# KiCad board 1590N1 IO Board.kicad_pcb
title: 1590N1 BASEBOARD - PCBA; date: 2023-05-21; rev: A; company: ALESSANDRO RIZZONI; note: PCBA; note: DRAFT; note: AIR; note: 1: DO NOT TENT VIAS
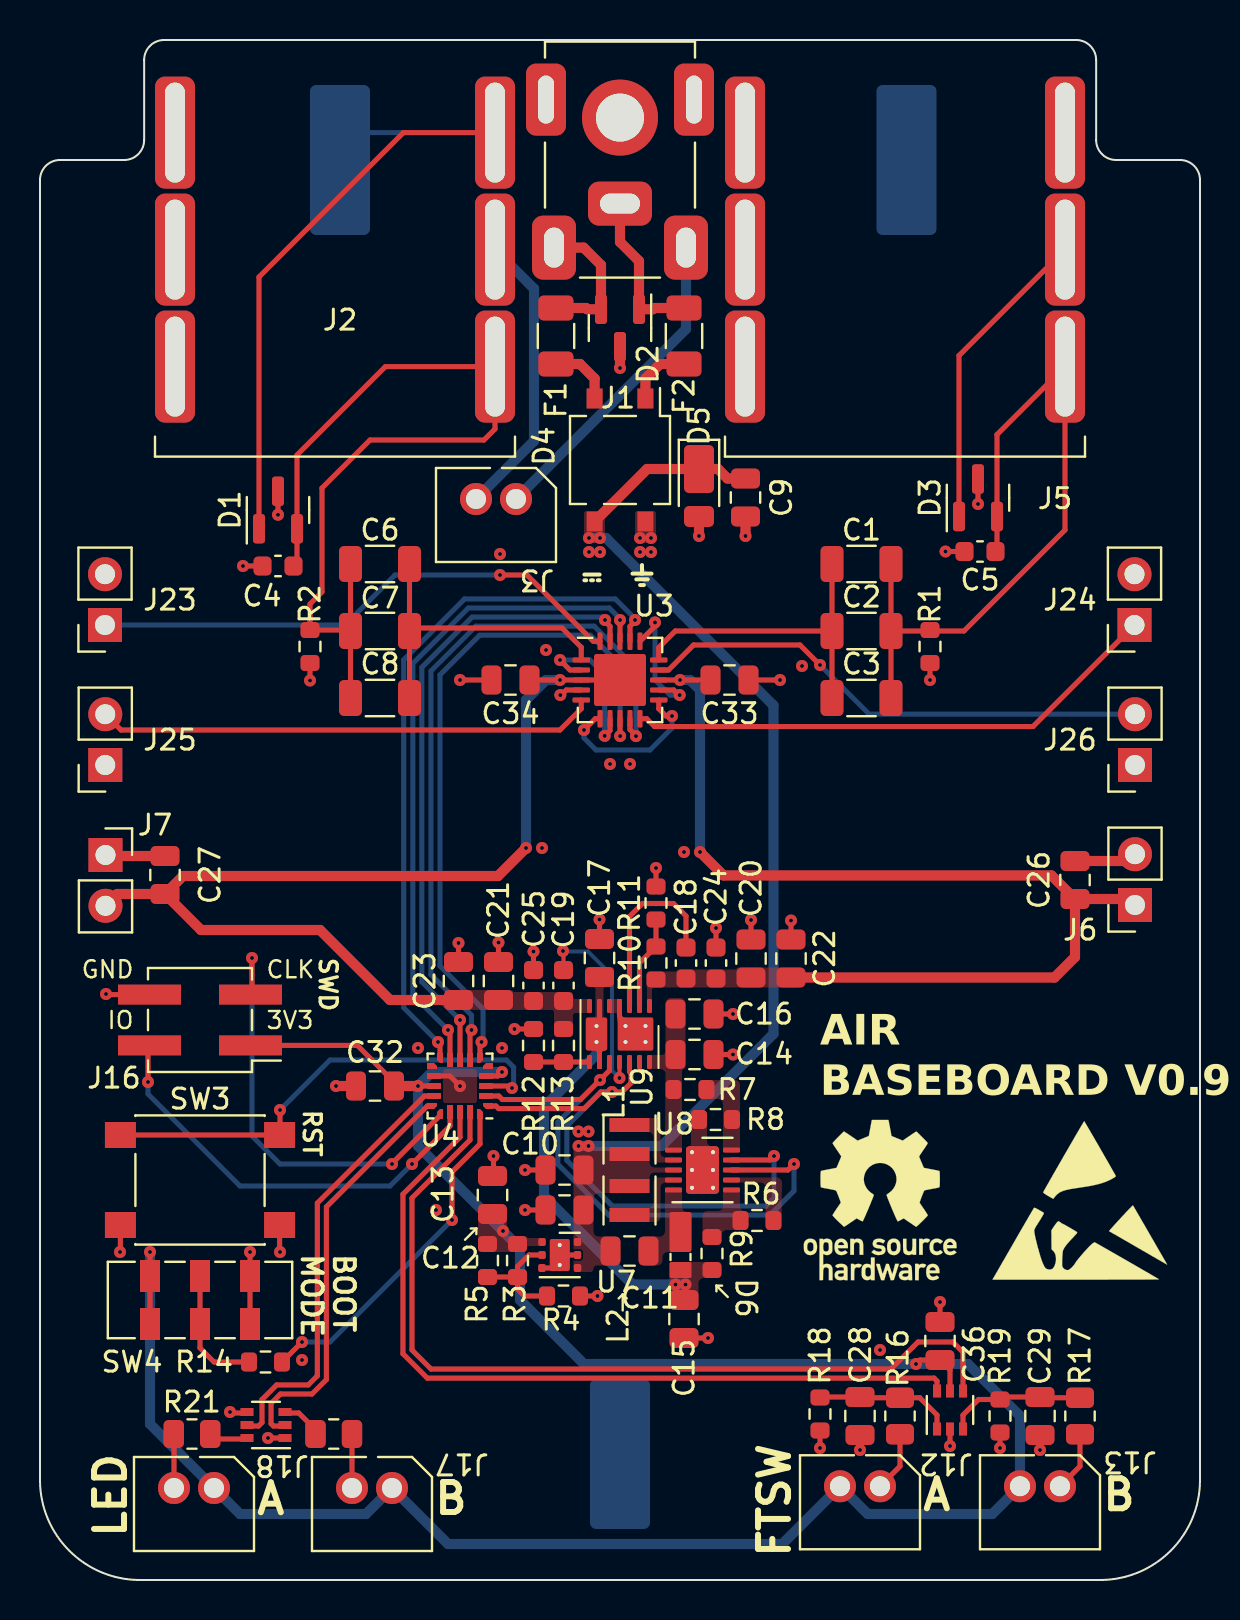
[diagram p0: board, top side]
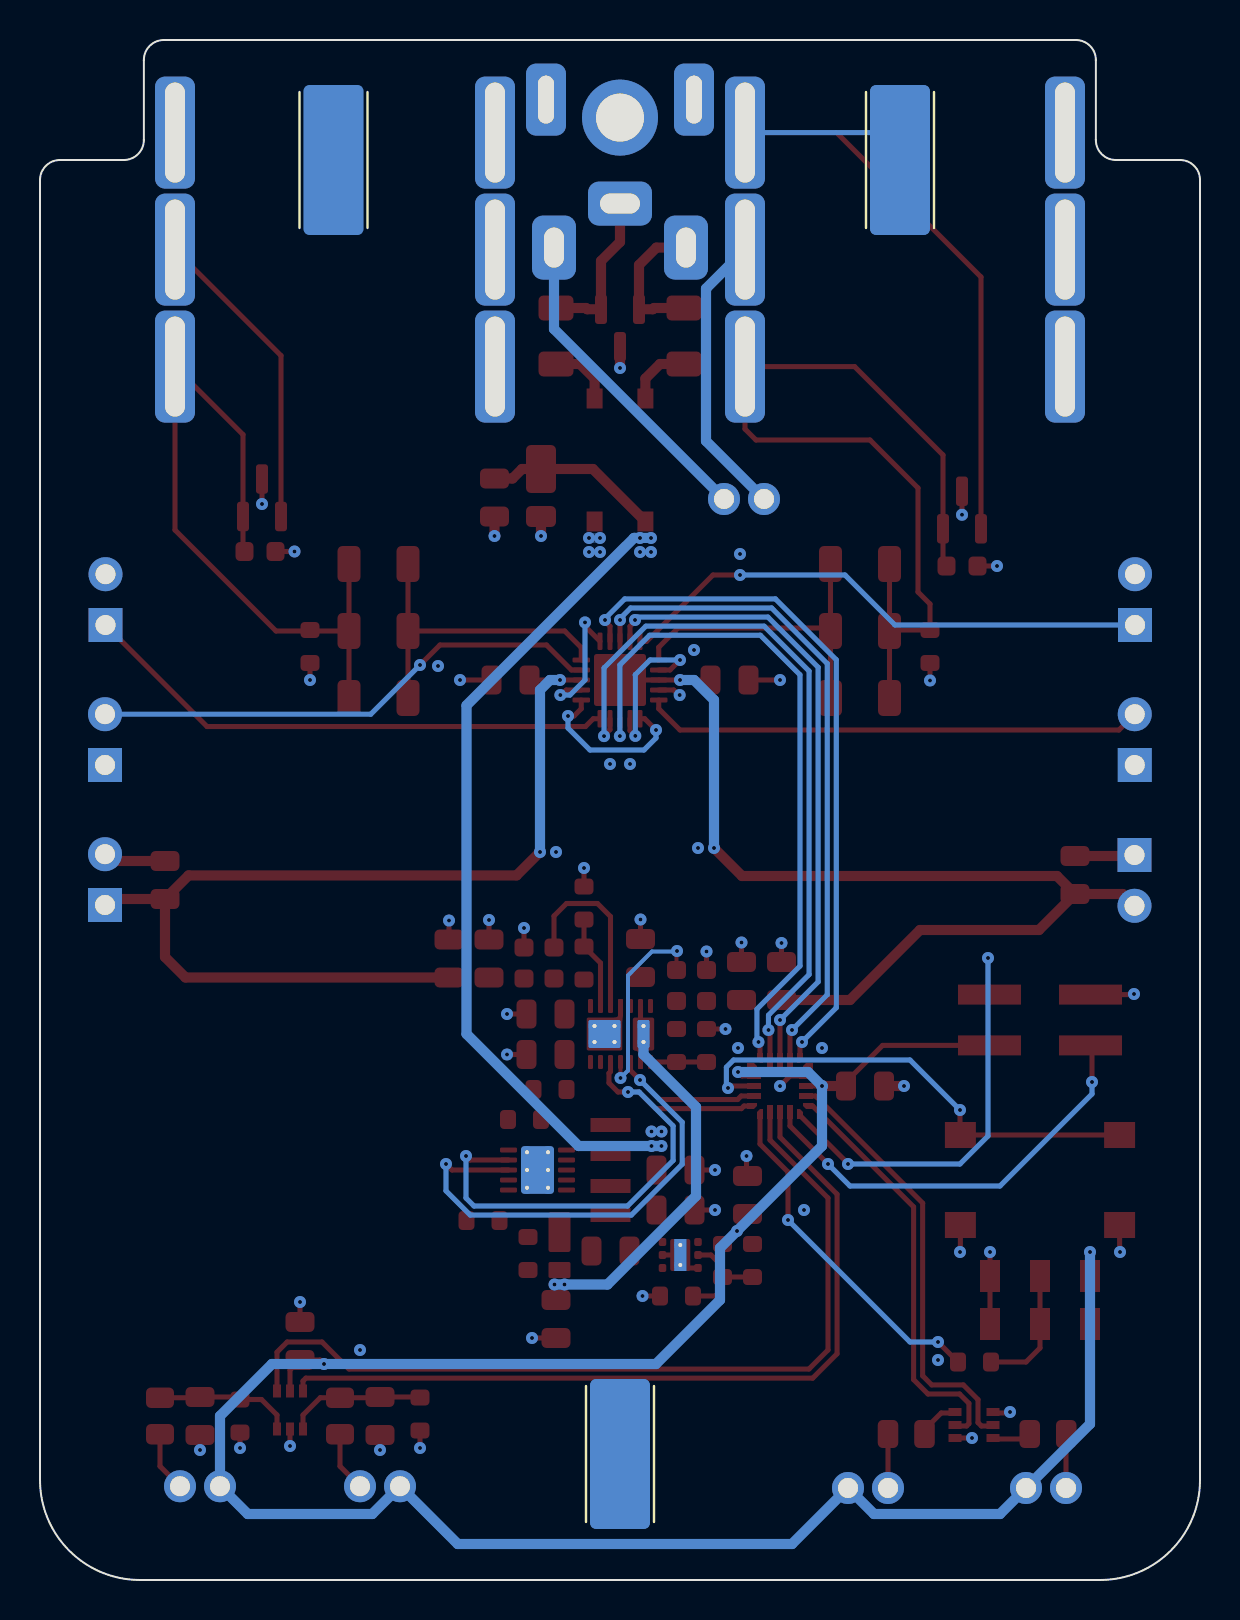
[diagram p1: board, bottom side, seen from below]

Outline 58 x 77 mm; copper layers: Top, In1.Cu (plane), In2.Cu (plane), Bottom. Coordinates in mm from the lower left corner of the outline.
Outline path: 0,70 0,5 arc(1.46,1.46) 5,0 53,0 arc(56.54,1.46) 58,5 58,70 arc(57.71,70.71) 57,71 53.81,71 arc(53.1,71.29) 52.81,72 52.81,76 arc(52.51,76.71) 51.81,77 6.21,77 arc(5.5,76.71) 5.21,76 5.21,72 arc(4.91,71.29) 4.21,71 1,71 arc(0.29,70.71) 0,70
Stack: Top 0.035mm / dielectric 0.2104mm FR4 er 4.5 / In1.Cu 0.0152mm / dielectric 1.065mm FR4 er 4.5 / In2.Cu 0.0152mm / dielectric 0.2104mm FR4 er 4.5 / Bottom 0.035mm

## Placement (name value [footprint] x y rotation side)
C1  330nF  [C_1206_3216Metric]  41.08 50.8 0 top
C2  330nF  [C_1206_3216Metric]  41.08 47.45 0 top
C3  330nF  [C_1206_3216Metric]  41.08 44.1 0 top
C4  6pF  [C_0603_1608Metric]  11.9 50.7 0 top
C5  6pF  [C_0603_1608Metric]  47 51.43 180 top
C6  330nF  [C_1206_3216Metric]  17 50.8 0 top
C7  330nF  [C_1206_3216Metric]  17 47.45 0 top
C8  330nF  [C_1206_3216Metric]  17 44.1 0 top
C9  22μF  [C_0805_2012Metric]  35.28 54.13 90 top
C10  22μF  [C_0805_2012Metric]  26.22 20.5 0 top
C11  22μF  [C_0805_2012Metric]  29.47 16.45 180 top
C12  22μF  [C_0805_2012Metric]  26.22 18.5 0 top
C13  22μF  [C_0805_2012Metric]  22.62 19.25 270 top
C14  22μF  [C_0805_2012Metric]  32.72 26.28 180 top
C15  22μF  [C_0805_2012Metric]  32.2 13.05 270 top
C16  22μF  [C_0805_2012Metric]  32.72 28.3 180 top
C17  22μF  [C_0805_2012Metric]  27.98 31.1 90 top
C18  10nF  [C_0603_1608Metric]  32.3 30.85 90 top
C19  10nF  [C_0603_1608Metric]  26.17 29.73 90 top
C20  22μF  [C_0805_2012Metric]  35.55 31.07 270 top
C21  22μF  [C_0805_2012Metric]  22.92 29.95 90 top
C22  100nF  [C_0805_2012Metric]  37.55 31.08 270 top
C23  100nF  [C_0805_2012Metric]  20.92 29.95 90 top
C24  10nF  [C_0603_1608Metric]  33.8 30.85 90 top
C25  10nF  [C_0603_1608Metric]  24.67 29.73 270 top
C26  22μF  [C_0805_2012Metric]  51.75 35 270 top
C27  22μF  [C_0805_2012Metric]  6.25 35.25 270 top
C28  22μF  [C_0805_2012Metric]  41 8.2 90 top
C29  22μF  [C_0805_2012Metric]  50 8.2 90 top
C32  100nF  [C_0805_2012Metric]  16.75 24.7 0 top
C33  100nF  [C_0805_2012Metric]  34.47 45 180 top
C34  100nF  [C_0805_2012Metric]  23.53 45 180 top
C36  100nF  [C_0805_2012Metric]  45 11.95 270 top
CHS1  Chassis  [Harwin_EMI_Finger_S7061-46R]  43.33 71 180 bottom
CHS2  Chassis  [Harwin_EMI_Finger_S7061-46R#2]  15 71 180 bottom
CHS3  Chassis  [Harwin_EMI_Finger_S7061-46R]  29 6.3 180 bottom
D1  PESD12VL2BT,215  [SOT-23]  11.9 53.5 90 top
D2  PESD12VL2BT,215  [SOT-23]  29 62.6 270 top
D3  PESD12VL2BT,215  [SOT-23]  46.9 54.11 90 top
D4  FULL BRIDGE  [TO-269AA]  29 56 270 top
D5  DFLZ13Q-7  [D_PowerDI-123]  32.95 54.7 270 top
D6  RSX051VAM30TR  [SOD-323HE]  32.02 16.9 270 top
F1  PPTC  [Fuse_1206_3216Metric]  25.8 62.2 90 top
F2  PPTC  [Fuse_1206_3216Metric]  32.2 62.2 90 top
G1  Logo_Open_Hardware_Small  [OSHW-Logo_7.5x8mm_SilkScreen]  42 19 0 top
G2  SYM_ESD_Small  [ESD-Logo_8.9x8mm_SilkScreen]  52 19 0 top
J1  DC POWER JACK  [CUI_PJ-047]  29 66.62 0 top
J2  1/4" JACK, STEREO  [Amphenol_ACJS-IHS]  14.75 66.17 0 top
J3  6-440054-2  [TE_HPI_2.0MM_PITCH_MALE_HEADER_2POS]  22.8 55.8 180 top
J5  1/4" JACK, STEREO  [Amphenol_ACJS-IHS]  43.25 66.17 0 top
J6  2P_HEADER  [PinSocket_1x02_P2.54mm_Vertical]  54.75 33.75 180 top
J7  2P_HEADER  [PinSocket_1x02_P2.54mm_Vertical]  3.27 36.25 0 top
J12  6-440054-2  [TE_HPI_2.0MM_PITCH_MALE_HEADER_2POS]  41 6.44 180 top
J13  6-440054-2  [TE_HPI_2.0MM_PITCH_MALE_HEADER_2POS]  50 6.44 180 top
J16  Conn_01x04_Pin  [PinHeader_2x02_P2.54mm_Vertical_SMD]  8 28 180 top
J17  6-440054-2  [TE_HPI_2.0MM_PITCH_MALE_HEADER_2POS]  16.6 6.35 180 top
J18  6-440054-2  [TE_HPI_2.0MM_PITCH_MALE_HEADER_2POS]  7.7 6.35 180 top
J23  2P_HEADER  [PinSocket_1x02_P2.54mm_Vertical]  3.25 47.75 180 top
J24  2P_HEADER  [PinSocket_1x02_P2.54mm_Vertical]  54.72 47.75 180 top
J25  2P_HEADER  [PinSocket_1x02_P2.54mm_Vertical]  3.26 40.75 180 top
J26  2P_HEADER  [PinSocket_1x02_P2.54mm_Vertical]  54.75 40.75 180 top
L1  15μH  [L_Taiyo-Yuden_NR-24xx]  29.47 22.02 270 top
L2  15μH  [L_Taiyo-Yuden_NR-24xx]  29.47 18.97 270 top
Q1  DMN63D8LDW  [SOT-363_SC-70-6]  11.3 7.75 180 top
R1  49.9kΩ  [R_0603_1608Metric]  44.5 46.68 90 top
R2  1MΩ  [R_0603_1608Metric]  13.5 46.68 270 top
R3  62kΩ  [R_0603_1608Metric]  23.88 15.97 270 top
R4  10kΩ  [R_0603_1608Metric]  26.17 14.2 0 top
R5  62kΩ  [R_0603_1608Metric]  22.37 15.97 270 top
R6  62kΩ  [R_0603_1608Metric]  35.85 17.97 180 top
R7  499kΩ  [R_0603_1608Metric]  32.5 24.52 0 top
R8  62kΩ  [R_0603_1608Metric]  33.77 23.02 180 top
R9  499kΩ  [R_0603_1608Metric]  33.6 16.32 270 top
R10  499kΩ  [R_0603_1608Metric]  30.8 30.85 90 top
R11  78.7kΩ  [R_0603_1608Metric]  30.8 33.85 90 top
R12  78.7kΩ  [R_0603_1608Metric]  24.67 26.72 270 top
R13  499kΩ  [R_0603_1608Metric]  26.17 26.72 90 top
R14  10kΩ  [R_0603_1608Metric]  11.27 10.9 0 top
R16  47Ω  [R_0805_2012Metric]  43 8.2 270 top
R17  47Ω  [R_0805_2012Metric]  52 8.2 270 top
R18  10kΩ  [R_0603_1608Metric]  39 8.3 270 top
R19  10kΩ  [R_0603_1608Metric]  48 8.2 270 top
R20  47Ω  [R_0805_2012Metric]  14.69 7.3 0 top
R21  47Ω  [R_0805_2012Metric]  7.6 7.3 180 top
SW3  PTS645SH43SMTR92 LFS  [SW_SPST_PTS645]  8 20 0 top
SW4  SW_DPDT_x2  [SW_DPDT_CK_JS202011JCQN]  8 14 0 top
U2  74LVC2G17  [SOT-363_SC-70-6]  45.5 8.5 90 top
U3  ADG5434  [LFCSP-20-1EP_4x4mm_P0.5mm_EP2.6x2.6mm]  29 45 0 top
U4  STM32L011F4Ux  [ST_UFQFPN-20_3x3mm_P0.5mm]  21 24.7 180 top
U7  TLV767  [WSON-6-1EP_2x2mm_P0.65mm_EP1x1.6mm_ThermalVias]  25.99 16.25 0 top
U8  LT3463  [DFN-10-1EP_3x3mm_P0.5mm_EP1.65x2.38mm_ThermalVias]  33.12 20.5 0 top
U9  LT3032  [DE14MA]  28.97 27.3 270 top

## Library data of the parts
C1-C3 C6-C8 = -: Description: Unpolarized capacitor; Manufacturer: Murata; Part Number: GRM31C5C1E334JE01L
C4 C5 = -: Description: Unpolarized capacitor; Manufacturer: TDK; Part Number: CGA3E2C0G1H060D080AA
C9-C17 C20 C21 C26-C29 = -: Description: Unpolarized capacitor; Manufacturer: Murata; Part Number: GRM21BR61E226ME44L
C18 C19 C24 C25 = -: Description: Unpolarized capacitor; Manufacturer: Murata; Part Number: GRM1885C1H103JA01J
C22 C23 C32-C34 C36 = -: Description: Unpolarized capacitor; Manufacturer: Murata; Part Number: GRM31C5C1H104JA01K
CHS1-CHS3 = -: Description: Power symbol creates a global label with name "Chassis" , chassis ground; Manufacturer: Harwin; Part Number: S7061-46R
D1-D3 = -: Description: Bidirectional dual transient-voltage-suppression diode, center on pin 3; Manufacturer: Nexperia; Part Number: PESD12VL2BT215
D4 = -: Description: Miniature Glass Passivated Single-Phase Surface Mount Bridge Rectifiers, 700V Vrms, 1.0A If, DFS SMD package; Manufacturer: Didoes Incorporated; Part Number: RH06-T
D5 = -: Description: Zener diode, filled shape; Manufacturer: Diodes Incorporated
D6 = -: Description: Schottky diode; Manufacturer: Rohm Semiconductor; Part Number: RSX051VAM30TR
F1 F2 = -: Description: Resettable fuse, polymeric positive temperature coefficient; Manufacturer: Littelfuse; Part Number: 1206L005/60WR
G1 = -: Description: Open Hardware logo, small; Sim.Enable: 0
G2 = -: Description: ESD warning/"Do not touch" symbol, large; Sim.Enable: 0
J1 = -: Description: DC Barrel Jack with an internal switch and a mounting pin; Manufacturer: CUI; Part Number: PJ-047A
J2 J5 = -: Description: Audio Jack, 3 Poles (Stereo / TRS), Switched Poles (Normalling); Manufacturer: Amphenol Audio; Part Number: ACJS-IHS
J3 J12 J13 J17 J18 = -: Description: Generic connector, single row, 01x02, script generated (kicad-library-utils/schlib/autogen/connector/); Manufacturer: TE Connectivity AMP Connectors
J6 J7 J23-J26 = -: Description: Generic connector, single row, 01x02, script generated (kicad-library-utils/schlib/autogen/connector/); Manufacturer: Samtec
J16 = -: Description: Generic connector, single row, 01x04, script generated
L1 L2 = -: Description: Inductor; Manufacturer: Taiyo Yuden; Part Number: NRH2410T220MN
Q1 = -: Description: Dual NMOS transistor, 6 pin package
R1 = -: Description: Resistor, US symbol; Manufacturer: Koa Speer; Part Number: RN73H1JTTD4992F100
R2 = -: Description: Resistor, US symbol; Manufacturer: Koa Speer; Part Number: RN73H1JTTD1004F100
R3 R5 R6 R8 = -: Description: Resistor, US symbol; Manufacturer: Koa Speer; Part Number: RN73H1JTTD6202F100
R4 R14 R18 R19 = -: Description: Resistor, US symbol; Manufacturer: Koa Speer; Part Number: RN73H1JTTD1002F100
R7 R9 R10 R13 = -: Description: Resistor, US symbol; Manufacturer: Koa Speer; Part Number: RN73H1JTTD4993F100
R11 R12 = -: Description: Resistor, US symbol; Manufacturer: Koa Speer; Part Number: RN73H1JTTD7772F100
R16 R17 R20 R21 = -: Description: Resistor, US symbol; Manufacturer: Koa Speer; Part Number: RN73H1JTTD3000F100
SW3 = -: Description: 1x DIP Switch, Single Pole Single Throw (SPST) switch, small symbol
SW4 = -: Description: Switch, dual pole double throw, separate symbols
U2 = -: Description: Dual Buffer Schmitt Triggered, Low-Voltage CMOS
U3 = -: Description: High Voltage Latch-Up Proof Quad SPDT Switch
U4 = -: Description: STMicroelectronics Arm Cortex-M0+ MCU, 16KB flash, 2KB RAM, 32 MHz, 1.65-3.6V, 16 GPIO, UFQFPN20
U7 = -: Description: 1A, 16V Precision Linear Voltage Regulator, with enable pin, Adjustable Output 0.8-13.6V, WSON-6; Manufacturer: Texas Instruments; Part Number: TLV76701DRVR
U8 = -: Manufacturer: Analog Devices; Part Number: LT3463AEDD#PBF
U9 = -: Manufacturer: Analog Devices; Part Number: LT3032EDE#TRPBF

## Footprints (pads in the part's own frame, mm; a bottom-side part is the same pattern mirrored in y, then rotated)
Amphenol_ACJS-IHS
  rrect 2x5.6 hole 1x5: R(8,0.35) RN(-8,0.35) S(8,6.2) SN(-8,6.2) T(8,-5.5) TN(-8,-5.5)
C_0603_1608Metric
  rrect 0.9x0.95 smd: 1(-0.775,0) 2(0.775,0)
C_0805_2012Metric
  rrect 1x1.45 smd: 1(-0.95,0) 2(0.95,0)
C_1206_3216Metric
  rrect 1.15x1.8 smd: 1(-1.475,0) 2(1.475,0)
CUI_PJ-047
  round 3.8 hole 2.4 unplated: (0,6.5)
  rrect 2.2x3.2 hole 1x2: 1(-3.3,0) 3(3.3,0)
  rrect 3.2x2.2 hole 2x1: 2(0,2.2)
  rrect 2x3.6 hole 0.8x2.4: MP(-3.7,7.4) MP(3.7,7.4)
D_PowerDI-123
  rrect 2.4x1.5 smd: 1(-0.85,0)
  rrect 1.05x1.5 smd: 2(1.525,0)
DE14MA
  rrect 0.65x0.7 smd: (-0.4,1.225) (0.4,1.225) (0.4,0.375)
  rrect 0.625x0.7 smd: (-0.4,0.375)
  rrect 0.65x0.8 smd: (-0.4,-1.15) (0.4,-1.15)
  rrect 0.7x0.25 smd: 1(-1.4,1.5) 2(-1.4,1) 3(-1.4,0.5) 4(-1.4,0) 5(-1.4,-0.5) 6(-1.4,-1) 7(-1.4,-1.5) 8(1.4,-1.5) 9(1.4,-1) 10(1.4,-0.5) 11(1.4,0) 12(1.4,0.5) 13(1.4,1) 14(1.4,1.5)
  custom 1.2x0.5 smd: 4(-1.4,0)
  custom 1.175x0.75 smd: 9(1.4,-1)
  round 0.6 hole 0.2: 15(-0.4,1.3) 15(-0.4,0.3) 15(0.4,1.3) 15(0.4,0.3) 16(-0.4,-1.15) 16(0.4,-1.15)
  rrect 1.4x1.6 smd far side: 15(0,0.8)
  rrect 1.65x1.78 smd: 15(0,0.8)
  rrect 1.4x0.6 smd far side: 16(0,-1.15)
  rrect 1.65x1.07 smd: 16(0,-1.15)
DFN-10-1EP_3x3mm_P0.5mm_EP1.65x2.38mm_ThermalVias
  rrect 0.67x0.96 smd: (-0.41,0.595) (-0.41,-0.595) (0.41,0.595) (0.41,-0.595)
  rrect 0.85x0.25 smd: 1(-1.45,1) 2(-1.45,0.5) 3(-1.45,0) 4(-1.45,-0.5) 5(-1.45,-1) 6(1.45,-1) 7(1.45,-0.5) 8(1.45,0) 9(1.45,0.5) 10(1.45,1)
  round 0.6 hole 0.2: 11(-0.525,0.89) 11(-0.525,0) 11(-0.525,-0.89) 11(0.525,0.89) 11(0.525,0) 11(0.525,-0.89)
  rrect 1.65x2.38 smd: 11(0,0)
  rrect 1.65x2.38 smd far side: 11(0,0)
Fuse_1206_3216Metric
  rrect 1.25x1.75 smd: 1(-1.4,0) 2(1.4,0)
Harwin_EMI_Finger_S7061-46R
  rrect 3x7.5 smd: x(0,0)
Harwin_EMI_Finger_S7061-46R#2
  rrect 3x7.5 smd: 1(0,0)
L_Taiyo-Yuden_NR-24xx
  rect 0.7x2 smd: 1(-0.725,0) 2(0.725,0)
LFCSP-20-1EP_4x4mm_P0.5mm_EP2.6x2.6mm
  rrect 1.05x1.05 smd: (-0.65,0.65) (-0.65,-0.65) (0.65,0.65) (0.65,-0.65)
  rrect 0.875x0.25 smd: 1(-1.938,1) 2(-1.938,0.5) 3(-1.938,0) 4(-1.938,-0.5) 5(-1.938,-1) 11(1.938,-1) 12(1.938,-0.5) 13(1.938,0) 14(1.938,0.5) 15(1.938,1)
  rrect 0.25x0.875 smd: 6(-1,-1.938) 7(-0.5,-1.938) 8(0,-1.938) 9(0.5,-1.938) 10(1,-1.938) 16(1,1.938) 17(0.5,1.938) 18(0,1.938) 19(-0.5,1.938) 20(-1,1.938)
  rrect 2.6x2.6 smd: 21(0,0)
PinHeader_2x02_P2.54mm_Vertical_SMD
  rect 3.15x1 smd: 1(-2.525,1.27) 2(2.525,1.27) 3(-2.525,-1.27) 4(2.525,-1.27)
PinSocket_1x02_P2.54mm_Vertical
  rect 1.7x1.7 hole 1: 1(0,0)
  oval 1.7x1.7 hole 1: 2(0,-2.54)
R_0603_1608Metric
  rrect 0.8x0.95 smd: 1(-0.825,0) 2(0.825,0)
R_0805_2012Metric
  rrect 1.025x1.4 smd: 1(-0.912,0) 2(0.912,0)
SOD-323HE
  rrect 2x1.1 smd: 1(-0.5,0)
  rrect 0.8x1.1 smd: 2(1.4,0)
SOT-23
  rrect 1.475x0.6 smd: 1(-0.938,0.95) 2(-0.938,-0.95) 3(0.938,0)
SOT-363_SC-70-6
  rect 0.65x0.4 smd: 1(-0.95,0.65) 2(-0.95,0) 3(-0.95,-0.65) 4(0.95,-0.65) 5(0.95,0) 6(0.95,0.65)
ST_UFQFPN-20_3x3mm_P0.5mm
  custom 0.5x0.3 smd: 1(-1.475,1) 5(-1.475,-1) 11(1.475,-1) 15(1.475,1)
  rect 0.7x0.3 smd: 2(-1.3,0.5) 3(-1.3,0) 4(-1.3,-0.5) 12(1.3,-0.5) 13(1.3,0) 14(1.3,0.5)
  custom 0.3x0.5 smd: 6(-1,-1.475) 10(1,-1.475) 16(1,1.475) 20(-1,1.475)
  rect 0.3x0.7 smd: 7(-0.5,-1.3) 8(0,-1.3) 9(0.5,-1.3) 17(0.5,1.3) 18(0,1.3) 19(-0.5,1.3)
SW_DPDT_CK_JS202011JCQN
  rect 1x1.6 smd: 1(-2.5,1.2) 2(0,1.2) 3(2.5,1.2) 4(-2.5,-1.2) 5(0,-1.2) 6(2.5,-1.2)
SW_SPST_PTS645
  rect 1.55x1.3 smd: 1(-3.98,2.25) 1(3.98,2.25) 2(-3.98,-2.25) 2(3.98,-2.25)
TE_HPI_2.0MM_PITCH_MALE_HEADER_2POS
  round 1.6 hole 1: 1(-1,1.75) 2(1,1.75)
TO-269AA
  rect 1x0.8 smd: 1(-3.075,1.27) 2(-3.075,-1.27) 3(3.075,-1.27) 4(3.075,1.27)
WSON-6-1EP_2x2mm_P0.65mm_EP1x1.6mm_ThermalVias
  rrect 0.87x0.69 smd: (0,0.4) (0,-0.4)
  rrect 0.375x0.4 smd: 1(-0.887,0.65) 2(-0.887,0) 3(-0.887,-0.65) 4(0.887,-0.65) 5(0.887,0) 6(0.887,0.65)
  round 0.6 hole 0.2: 7(0,0.5) 7(0,-0.5)
  rect 0.6x1.6 smd far side: 7(0,0)
  rrect 1x1.6 smd: 7(0,0)

## Nets
+3V3: C13.2 C32.2 C36.2 J12.2 J13.2 J16.1 J17.1 J18.1 R3.1 R5.1 SW4.1 SW4.4 U2.5 U4.4 U4.13 U7.1
+9V: C18.1 C20.2 C22.2 C24.1 C26.2 C33.2 J6.1 R10.1 U3.13 U9.1
+9V_EN: U4.1 U8.9 U9.12
-9V: C19.1 C21.1 C23.1 C25.2 C27.2 C34.1 J7.2 R13.2 U3.3 U3.21 U9.7
-9V_EN: U4.2 U8.8 U9.10
/Power/5VREG_FB: R3.2 R4.1 R5.2 U7.2
/Power/+9VREG_FBP: R10.2 R11.1 U9.2
/Power/-9VREG_FBN: R12.2 R13.1 U9.8
GND: C4.1 C5.2 C9.1 C10.1 C12.1 C13.1 C14.1 C15.2 C16.1 C17.2 C20.1 C21.2 C22.1 C23.2 C24.2 C25.1 C26.1 C27.1 C28.1 C29.1 C32.1 C33.1 C34.2 C36.1 CHS2.1 D1.1 D1.3 D2.3 D3.1 D3.3 D4.4 D5.2 J1.MP J2.S J5.R J5.S J6.2 J7.1 J16.4 J23.2 J24.2 J25.1 J26.1 Q1.1 Q1.4 R1.1 R2.2 R4.2 R8.2 R11.2 R12.1 R18.2 R19.2 SW3.2 SW4.3 SW4.6 U2.2 U3.4 U4.12 U7.3 U7.5 U7.7 U8.11 U9.4 U9.5 U9.15
+Vsw: C14.2 C16.2 R7.1 U8.1 U9.14
-Vsw: C15.1 C17.1 D6.2 R9.2 U9.6 U9.9 U9.16
/Input and Output/AUDIO_IN: C4.2 C6.1 C7.1 C8.1 D1.2 J2.T R2.1
/Input and Output/AUDIO_OUT: C1.2 C2.2 C3.2 C5.1 D3.2 J5.T R1.2
/Input and Output/BATT_SW_A: J1.3 J3.1
/Input and Output/BATT_SW_B: J2.R J3.2
/Input and Output/DC_IN+: D2.1 F2.2 J1.2
/Input and Output/DC_IN-: D2.2 F1.2 J1.1
/Input and Output/DC_IN_FUSED+: D4.1 F2.1
/Input and Output/DC_IN_FUSED-: D4.2 F1.1
/Microcontroller and Switching/AUDIO_A_TO_B: U3.6 U3.11
/Microcontroller and Switching/BYPASS_A: U3.2 U3.7
/Microcontroller and Switching/BYPASS_B: U3.12 U3.16
/Microcontroller and Switching/SW_EN: U3.18 U4.9
/Microcontroller and Switching/SW_IN1: U3.19 U4.8
/Microcontroller and Switching/SW_IN2: U3.8 U4.6
/Microcontroller and Switching/SW_IN3: U3.9 U4.7
/Microcontroller and Switching/SW_IN4: U3.17 U4.10
/Peripherals/V_FTSW_RAW_A: J12.1 R16.2
/Peripherals/V_FTSW_RAW_B: J13.1 R17.2
/Peripherals/V_LEDA: J18.2 R21.2
/Peripherals/V_LEDB: J17.2 R20.2
/Power/FB1: R7.2 R8.1 U8.10
/Power/FB2: R6.2 R9.1 U8.6
/Power/V_SW_D2: C11.1 D6.1 U8.5
/Power/VBYPN: C19.2 U9.11
/Power/VBYPP: C18.2 U9.3
/Power/VSW1: L1.1 U8.2
/Power/VSW2: L2.2 U8.4
AUDIO_IN_A: J23.1 U3.20
AUDIO_IN_B: J24.1 U3.10
AUDIO_IN_FILT: C6.2 C7.2 C8.2 U3.1
AUDIO_OUT_A: J25.2 U3.5
AUDIO_OUT_B: J26.2 U3.14
AUDIO_OUT_FILT: C1.1 C2.1 C3.1 U3.15
BOOT_MODE: R14.2 U4.20
DC_IN: C9.2 C10.2 C11.2 C12.2 D4.3 D5.1 L1.2 L2.1 U7.4 U7.6 U8.3
RST: SW3.1 U4.3
SWDCK: J16.3 U4.16
SWDIO: J16.2 U4.17
V_FTSW_A: U2.6 U4.18
V_FTSW_B: U2.4 U4.19
VLED1: Q1.2 U4.15
VLED2: Q1.5 U4.14
Net-(C28-Pad2): C28.2 R16.1 R18.1 U2.1
Net-(C29-Pad2): C29.2 R17.1 R19.1 U2.3
Net-(Q1A-D): Q1.6 R21.1
Net-(Q1B-D): Q1.3 R20.1
Net-(SW4A-B): R14.1 SW4.2 SW4.5
Net-(U8-VREF): R6.1 U8.7

Pads without a net: CHS1 x; CHS3 x; J2 RN SN TN; J5 RN SN TN; U4 5 11; U9 13

## Via types
v1: diameter 0.6, hole 0.2, Top to Bottom, 109 vias

## Routing (per net, layer and track width the routed paths; a pad name or vN(x,y) marks a point on that pad's centre or on a via; arc(x,y) is an arc through that point)
+3V3: length 124
  Top w0.254: SW4.4 SW4.1 v1(5.5,16.4) ; U4.4 22.9,25.2 v1(23.1,25.4) ; U4.13 v1(18.9,24.7) ; v1(43.8,10.8) 44,11 C36.2 45.5,10.5 U2.5 ; v1(23.15,17.45) 23.03,17.45 ; J16.1 15.87,26.73 17.7,24.9 C32.2
  Top w0.508: v1(18.9,24.7) C32.2
  Bottom w0.508: v1(23.1,25.4) 19.6,25.4 v1(18.9,24.7) 18.9,21.7 v1(23.15,17.45) 24,16.6 24,14 27.2,10.8 v1(43.8,10.8) 46.4,10.8 49,8.2 J13.2 47.61,3.3 41.39,3.3 J12.2 37.11,1.8 20.4,1.8 J17.1 16.3,3.3 10,3.3 J18.1 5.5,7.8 v1(5.5,16.4)
+9V: length 51.7
  Top w0.254: U3.13 v1(32,45) 33,45
  Top w0.508: C22.2 50.72,30.13 51.75,31.15 C26.2 ; C26.2 54.45,34.05 J6.1 ; C26.2 50.57,35.23 34.17,35.23 v1(33,36.4)
  Bottom w0.508: v1(32,45) 32.5,45 33,44.5 v1(33,36.4)
+9V_EN: length 29.2
  Top w0.254: v1(36.7,21.2) 36.5,21 U8.9 ; U9.12 29.47,25.42 29.55,25.34 29.55,24.85 29.1,24.4 v1(28.6,24.4) 28.04,24.4 27.21,23.57 22.93,23.57 22.8,23.7 U4.1
  Bottom w0.254: v1(36.7,21.2) 36.7,19.1 36.3,18.7 28.62,18.7 26.34,20.98 26.34,22.7 28.04,24.4 v1(28.6,24.4)
-9V: length 52.6
  Top w0.254: 25,45 v1(26,45) U3.3 U3.21
  Top w0.508: C27.2 8.05,32.5 14,32.5 17.5,29 C23.1 ; C27.2 3.87,34.3 J7.2 ; C27.2 7.15,35.2 22.9,35.2 v1(24.3,36.6)
  Bottom w0.508: v1(24.3,36.6) 24.3,44 25.3,45 v1(26,45)
-9V_EN: length 30.3
  Top w0.254: U8.8 37.4,20.5 v1(37.7,20.8) ; U4.2 22.94,24.2 23.12,24.02 27.02,24.02 v1(28,25) 28.47,25.48 U9.10
  Bottom w0.254: v1(28,25) 25.89,22.89 25.89,20.79 28.43,18.25 36.49,18.25 37.7,19.46 v1(37.7,20.8)
/Power/5VREG_FB: length 5.7
  Top w0.254: R3.2 23.88,15.68 24.45,16.25 U7.2 ; R3.2 23.88,14.55 24.22,14.2 R4.1 ; R3.2 22.38,15.15
/Power/+9VREG_FBP: length 4.7
  Top w0.254: 29.97,28.7 29.97,30.85 R10.2 30.8,33.07
/Power/-9VREG_FBN: length 2.8
  Top w0.254: R12.2 27.47,25.9
GND: length 104.9
  Top w0.254: v1(26.02,44.25) 26.06,44.25 26.32,44.5 U3.4 ; D1.3 v1(11.9,53.26) ; U7.3 25.89,15.6 25.99,15.7 ; 35.95,45 v1(37,45) ; C10.1 v1(24.25,20.5) ; 30.8,34.72 v1(30.8,35.6) ; C20.1 v1(35.55,33) ; v1(4,16.4) 4.02,16.42 SW3.2 ; U2.2 v1(45.5,6.7) ; 22.05,45 v1(21,45) ; R4.2 v1(27.87,14.2) ; J5.R 45.95,61.22 D3.1 ; C28.1 v1(41,6.5) ; C21.2 v1(22.92,31.87) ; SW4.6 SW4.3 v1(10.5,16.4) ; 12.25,7.05 12.2,7.1 v1(11.4,7.1) ; R18.2 v1(39,6.6) ; C5.2 v1(45.28,51.42) ; 37.55,32.03 v1(37.55,32.98) ; R19.2 v1(48,6.6) ; D1.1 10.95,65.15 18.17,72.37 J2.S ; D3.3 v1(46.9,53.8) ; C36.1 v1(45,13.9) ; J16.4 3.33,29.27 v1(3.3,29.3) ; v1(21,24.7) 20.5,25.2 U4.12 ; 33.8,31.67 v1(33.8,32.6) ; R1.1 v1(44.5,45) ; 27.97,32.05 v1(27.97,33.02) ; 11.13,50.7 v1(10.15,50.7) ; R12.1 v1(23.72,27.55) ; C23.2 v1(20.92,31.85) ; 25.28,18.5 v1(24.25,18.5) ; C16.1 v1(34.65,28.3) ; C29.1 v1(50,6.5) ; v1(12,16.4) 11.98,16.42 SW3.2 ; 10.35,8.35 9.55,8.35 v1(9.5,8.4) ; C25.1 v1(24.68,31.43) ; 33.67,26.27 v1(34.65,26.27) ; R2.2 v1(13.5,44.98) ; C15.2 v1(33.4,12.1) ; 26.88,16.25 U7.7 ; 22.67,20.2 v1(22.67,21.2)
  Top w0.508: C9.1 v1(35.28,52.2) ; C32.1 v1(14.8,24.7) ; C27.1 3.33,36.2 J7.1 ; C26.1 54.41,35.95 J6.2 ; D5.2 v1(32.95,52.2) ; D2.3 v1(29,60.6)
  Bottom w0.254: CHS2.1 16.37,72.37 J2.S
  vias: v1(13.1,11) v1(18.9,26.6) v1(19.8,18.5) v1(23,51.3) v1(23.1,26.6) v1(25.1,36.6) v1(25.3,46.5) v1(26.92,22.42) v1(27.42,22.42) v1(27.45,51.4) v1(28,51.4) v1(28.5,40.8) v1(29.5,40.8) v1(30,52.1) v1(30,51.4) v1(30.55,52.1) v1(30.55,51.4) v1(32.2,36.4) v1(38.1,45.7) v1(42,11.5)
-Vsw: length 19.6
  Top w0.254: 27.97,28.7 27.98,27.85 U9.16
  Bottom w0.508: v1(32.28,14.78) v1(31.77,14.77) 29.63,14.77 25.2,19.2 25.2,23.65 27.82,26.27 U9.16
/Input and Output/AUDIO_IN: length 46.4
  Top w0.254: C8.1 C6.1 ; C7.1 15.48,47.5 R2.1 13.5,48.8 14.1,49.4 14.1,54.6 16.5,57 22.2,57 22.75,57.55 J2.T 17.27,60.67 12.85,56.25 D1.2 12.85,50.88 C4.2
/Input and Output/AUDIO_OUT: length 36.3
  Top w0.254: C1.2 C3.2 ; C2.2 46.2,47.45 51.25,52.5 J5.T 47.85,57.27 D3.2 47.85,51.5 C5.1
/Input and Output/BATT_SW_A: length 16.1
  Bottom w0.508: J3.1 32.3,62.55 J1.3
/Input and Output/BATT_SW_B: length 14.5
  Bottom w0.508: J3.2 24.7,56.95 24.7,64.57 J2.R
/Input and Output/DC_IN+: length 8
  Top w0.508: J1.2 29,66.9 29.95,65.95 D2.1 30.64,63.54 30.7,63.6 F2.2
/Input and Output/DC_IN-: length 7.2
  Top w0.508: J1.1 27.18,66.62 28.05,65.75 D2.2 27.36,63.54 27.3,63.6 F1.2
/Input and Output/DC_IN_FUSED+: length 3.2
  Top w0.508: D4.1 30.27,60.07 31,60.8 F2.1
/Input and Output/DC_IN_FUSED-: length 3.2
  Top w0.508: D4.2 27.73,60.07 27,60.8 F1.1
/Microcontroller and Switching/AUDIO_A_TO_B: length 8.4
  Top w0.254: v1(27.2,42.5) 27.76,43.06 U3.6 ; v1(31.6,43.2) 31.3,43.2 30.94,43.56 U3.11
  Bottom w0.254: v1(27.2,42.5) 27.2,42.1 27.8,41.5 30.5,41.5 31.6,42.6 v1(31.6,43.2)
/Microcontroller and Switching/BYPASS_A: length 7.8
  Top w0.254: v1(26,46) 26.5,45.5 U3.2 ; U3.7 28.5,42.47 v1(28.23,42.2)
  Bottom w0.254: v1(26,46) 27.5,46 28.23,45.27 v1(28.23,42.2)
/Microcontroller and Switching/BYPASS_B: length 6.8
  Top w0.254: U3.12 31.68,44.5 31.94,44.25 v1(31.98,44.25) ; v1(30.75,47.88) 30.75,47.69 U3.16
  Bottom w0.254: v1(30.75,47.88) 30.75,45 31.5,44.25 v1(31.98,44.25)
/Microcontroller and Switching/SW_EN: length 33.5
  Top w0.254: U4.9 20.5,27.4 v1(20.4,27.5) ; U3.18 v1(29,48)
  Bottom w0.254: v1(20.4,27.5) 18.64,29.26 18.64,45.82 21.42,48.6 28.47,48.6 29,48.07 v1(29,48)
/Microcontroller and Switching/SW_IN1: length 31.8
  Top w0.254: v1(28.25,48) 28.25,47.93 28.5,47.68 U3.19 ; U4.8 v1(21,28)
  Bottom w0.254: v1(21,28) 19.09,29.91 19.09,45.63 21.6,48.15 28.1,48.15 v1(28.25,48)
/Microcontroller and Switching/SW_IN2: length 34.9
  Top w0.254: v1(29.01,42.2) 29,42.2 U3.8 ; U4.6 22,26.9
  Bottom w0.254: v1(22.08,26.9) 22.15,26.98 22.15,28.55 20,30.7 20,45.26 21.98,47.24 27.52,47.24 29.01,45.75 v1(29.01,42.2)
/Microcontroller and Switching/SW_IN3: length 36.8
  Top w0.254: v1(21.58,27.5) 21.5,27.42 U4.7 ; v1(29.8,42.19) 29.8,42.22 29.5,42.52 U3.9
  Bottom w0.254: v1(29.8,42.19) 29.8,45.6 27.71,47.69 21.79,47.69 19.55,45.45 19.55,30.27 21.58,28.24 v1(21.58,27.5)
/Microcontroller and Switching/SW_IN4: length 35.1
  Top w0.254: v1(19.9,26.9) 20,26.8 U4.10 ; v1(29.75,48) 29.75,47.93 29.5,47.68 U3.17
  Bottom w0.254: v1(19.9,26.9) 18.18,28.62 18.18,46.01 21.23,49.05 28.76,49.05 29.75,48.07 v1(29.75,48)
/Peripherals/V_FTSW_RAW_A: length 3
  Top w0.254: R16.2 43,5.69 J12.1
/Peripherals/V_FTSW_RAW_B: length 3
  Top w0.254: J13.1 52,5.69 R17.2
/Peripherals/V_LEDA: length 2.8
  Top w0.254: R21.2 6.7,7.29 6.7,4.49
/Peripherals/V_LEDB: length 2.8
  Top w0.254: R20.2 15.6,4.5
/Power/VBYPN: length 10
  Top w0.2: 26.17,31.4 26.15,31.42 ; C19.2 26.17,31.43 ; 28.97,25.9 v1(28.97,25.1)
  Bottom w0.2: 26.15,31.42 27.4,31.42 28.6,30.22 28.6,25.47 v1(28.97,25.1)
  vias: v1(26.15,31.45)
/Power/VBYPP: length 9.4
  Top w0.254: 29.47,28.7 29.47,33.17 30.12,33.83 31.67,33.83 32.3,33.2 32.3,31.67
/Power/VSW1: length 0.7
  Top w0.254: 30.12,22.75 29.47,22.75
/Power/VSW2: length 0.6
  Top w0.254: 30.12,18.25 29.47,18.25
AUDIO_IN_A: length 27.2
  Top w0.254: U3.20 27.66,46.94 24.35,50.25 v1(23,50.25)
  Bottom w0.254: J23.1 15.25,47.75 17.75,50.25 v1(23,50.25)
AUDIO_IN_B: length 27
  Top w0.254: J24.1 49.65,42.67 30.73,42.67 30.34,43.06 U3.10
AUDIO_IN_FILT: length 16.4
  Top w0.254: U3.1 27.06,46.64 26.1,47.6 18.62,47.6 C7.2 ; C6.2 C8.2
AUDIO_OUT_A: length 25
  Top w0.254: J25.2 4.05,42.5 26,42.5 27.06,43.56 U3.5
AUDIO_OUT_B: length 25.8
  Top w0.254: U3.14 31.43,45.5 32.68,46.75 38,46.75 v1(39,45.75)
  Bottom w0.254: v1(39,45.75) 41.46,43.29 J26.2
AUDIO_OUT_FILT: length 16.3
  Top w0.254: C2.1 31.77,47.45 30.94,46.62 U3.15 ; C1.1 C3.1
BOOT_MODE: length 17.2
  Top w0.254: v1(20.6,18) 20.6,20.4 22,21.8 22,23.23 ; R14.2 v1(13.1,11.9)
  Bottom w0.254: v1(20.6,18) 14.5,11.9 v1(13.1,11.9)
DC_IN: length 50.8
  Top w0.254: 28.53,16.7 C11.2
  Top w0.508: C9.2 34.38,55.08 33.9,55.55 D5.1 30.36,55.55 D4.3
  Bottom w0.508: v1(27.42,21.7) v1(26.92,21.7) 31.07,21.7 36.67,27.3 36.67,43.73 28.3,52.1 27.45,52.1
  vias: v1(27.45,52.1) v1(28,52.1)
RST: length 24.5
  Top w0.254: SW3.1 SW3.1 12,22.27 v1(12,23.5) ; U4.3 23.5,24.7 v1(23.6,24.6)
  Bottom w0.254: v1(23.6,24.6) 23.68,24.68 23.68,25.64 23.32,26 14.5,26 v1(12,23.5)
SWDCK: length 21.8
  Top w0.254: 20,23.23 17.6,20.83 v1(17.6,20.8) ; v1(10.6,31.1) 10.6,29.35 J16.3
  Bottom w0.254: v1(17.6,20.8) 12,20.8 10.6,22.2 v1(10.6,31.1)
SWDIO: length 21.4
  Top w0.254: v1(5.4,24.9) 5.4,26.66 J16.2 ; v1(18.6,20.8) 20.5,22.7 U4.17
  Bottom w0.254: v1(18.6,20.8) 17.5,19.7 10,19.7 5.4,24.3 v1(5.4,24.9)
V_FTSW_A: length 41
  Top w0.254: U4.18 21,22.14 18.15,19.29 18.15,11.31 19.36,10.09 44.71,10.09 44.85,9.95 U2.6
V_FTSW_B: length 43.8
  Top w0.254: U4.19 21.5,22 18.6,19.1 18.6,11.5 19.55,10.55 42.55,10.55 43.9,11.9 45.64,11.9 46.15,11.39 U2.4
VLED1: length 20.9
  Top w0.254: U4.15 19.36,23.7 14.32,18.66 14.32,10.02 13.6,9.3 12.02,9.3 11.55,8.83 11.55,7.82 11.67,7.7 12.25,7.7
VLED2: length 21.9
  Top w0.254: U4.14 19.22,24.2 13.87,18.84 13.87,10.21 13.41,9.75 11.83,9.75 11.1,9.02 11.1,7.87 10.93,7.7 10.35,7.7
Net-(C28-Pad2): length 6.9
  Top w0.254: U2.1 44.85,8.25 43.99,9.11 R16.1 41.04,9.11 C28.2 39.03,9.15 R18.1
Net-(C29-Pad2): length 6.7
  Top w0.254: R19.1 46.92,9.03 46.15,8.25 U2.3 ; C29.2 48.12,9.15 ; R17.1 50.04,9.11
Net-(Q1A-D): length 2.1
  Top w0.254: Q1.6 10.3,7.05 8.26,7.05
Net-(Q1B-D): length 1.9
  Top w0.254: 12.25,8.35 12.94,8.35 13.77,7.51
Net-(SW4A-B): length 6.3
  Top w0.254: SW4.2 SW4.5 8,11.6 8.7,10.9 R14.1

## Copper pours and planes (outline as drawn; the poured copper is in the pictures)
+3V3 on Top: 25.28,16.7 24.35,16.7 24.35,16.4 21.9,16.4 21.9,18.55 23.35,18.55 23.35,17.2 24.35,17.2 24.35,17.1 25.28,17.1
+9V on Top: 30.6,28.35 30.6,29.62 37.95,29.62 37.95,30.62 34.83,30.62 34.83,30.53 31.83,30.53 31.83,30.43 30.33,30.43 30.33,29.63 30.35,29.63 30.35,28.35
-9V on Top: 27.6,28.35 27.6,29.05 26.65,29.05 26.65,29.4 23.65,29.4 23.65,29.5 20.42,29.5 20.42,28.5 25.7,28.5 25.7,27.15 26.65,27.15 26.65,28.35
GND on Top: 20.15,25.55 20.15,23.85 21.85,23.85 21.85,25.55
GND on Top: 32.3,19.32 33.95,19.32 33.95,21.67 33.35,21.67 33.35,23.5 32.55,23.5 32.55,21.67 32.3,21.67
GND on Top: 29.75,51.85 30.8,51.85 30.8,53.45 29.75,53.45
GND on In1.Cu, In2.Cu: 0,77 58,77 58,0 0,0
+Vsw on Top: 31.27,26.25 30.59,26.25 30.59,25.55 31.27,25.55 31.25,21.62 32.1,21.62 32.1,25.55 32.28,25.55 32.27,29.1 31.27,29.1
-Vsw on Top: 28.27,27.6 28.27,28.12 28.17,28.12 28.17,29.65 28.7,29.65 28.7,30.65 27.25,30.65 27.25,29.65 27.77,29.65 27.78,28.13 27.47,28.12 27.47,27.6
-Vsw on Top: 32.92,13.5 32.92,15.1 34.07,15.1 34.07,15.9 31.47,15.9 31.47,13.5
/Power/FB1 on Top: 34.15,21.62 35,21.62 35,25 32.92,25 32.92,24.05 34.15,24.05
/Power/FB2 on Top: 33.12,16.75 34.07,16.75 34.07,17.5 35.42,17.5 35.42,18.45 35,18.45 35,19.37 34.15,19.37 34.15,18.45 33.12,18.45
/Power/V_SW_D2 on Top: 31.25,17.17 29.92,17.17 29.92,15.72 31.12,15.72 31.12,16.4 32.57,16.4 32.58,18.4 32.1,18.4 32.1,19.37 31.25,19.37
/Power/VSW1 on Top: 28.47,22.4 28.47,23.1 31.03,23.1 31.03,21.12 32.1,21.12 32.1,20.87 30.67,20.87 30.67,22.4
/Power/VSW2 on Top: 31.03,17.9 31.03,19.87 32.1,19.87 32.1,20.12 30.67,20.12 30.67,18.6 28.47,18.6 28.47,17.9
DC_IN on Top: 32.1,20.37 30.47,20.37 30.48,19.35 27.67,19.35 27.67,17.17 29.02,17.17 29.02,15.72 27.67,15.72 27.67,15.4 26.67,15.4 26.67,21.95 27.67,21.95 27.67,21.65 30.47,21.65 30.47,20.62 32.1,20.62
DC_IN on Top: 27.2,51.85 28.25,51.85 28.25,53.45 27.2,53.45
Net-(U8-VREF) on Top: 34.15,19.87 34.15,20.12 37.1,20.12 37.07,17.5 36.28,17.5 36.28,19.87

Small or netless copper shapes (teardrops, artwork), in the pictures only: 6 on Top, 4 on Bottom

## Text on the board
User.Comments: F.Silk | F.Paste | F.Mask | F.Cu | Dielectric | In1.Cu | In2.Cu | B.Cu | B.Mask | B.Paste | B.Silk | Top Silk Screen | Top Solder Paste | Top Solder Mask | copper | prepreg | core | Bottom Solder Mask | Bottom Solder Paste | Bottom Silk Screen | Not spec. | FR4 | 0 mm | 0.01 mm | 0.035 mm | 0.2104 mm | 0.0152 mm | 1.065 mm | White | Green | 1 | 3.3 | 4.5 | 0 | 0.02 | INITIAL RELEASE | Copper Layer Count: | Board overall dimensions: | Min track/spacing: | Copper Finish: | Castellated pads: | Edge card connectors: | 4 | 58.0000 mm x 77.0000 mm | 0.0900 mm / 0.2000 mm | HAL SnPb | No | Board Thickness: | Min hole diameter: | Impedance Control: | Plated Board Edge: | 1.6062 mm | 0.2000 mm | Layer Name | Type | Material | Thickness (mm) | Color | Epsilon R | Loss Tangent | A | BOARD CHARACTERISTICS
F.Silkscreen: ↖ | CLK | 3V3 | GND | IO | RST | SWD | ⎓ | ⏚ | BOOT / MODE | A | B | LED | FTSW | AIR / BASEBOARD V0.9
